# Altium PCB PrintNC_GRBLHAL_Breakout.pcbdoc (part 4 of 9)
Units mm, origin at the board's own origin, x right, y up, seen from the top; angles counter-clockwise.
Board outline 100 x 100 mm, 4 copper layers (Top Layer, GND, PWR, Bottom Layer), stack 0.603 mm thick; 296 components, 213 nets, 5829 pads, 410 vias.
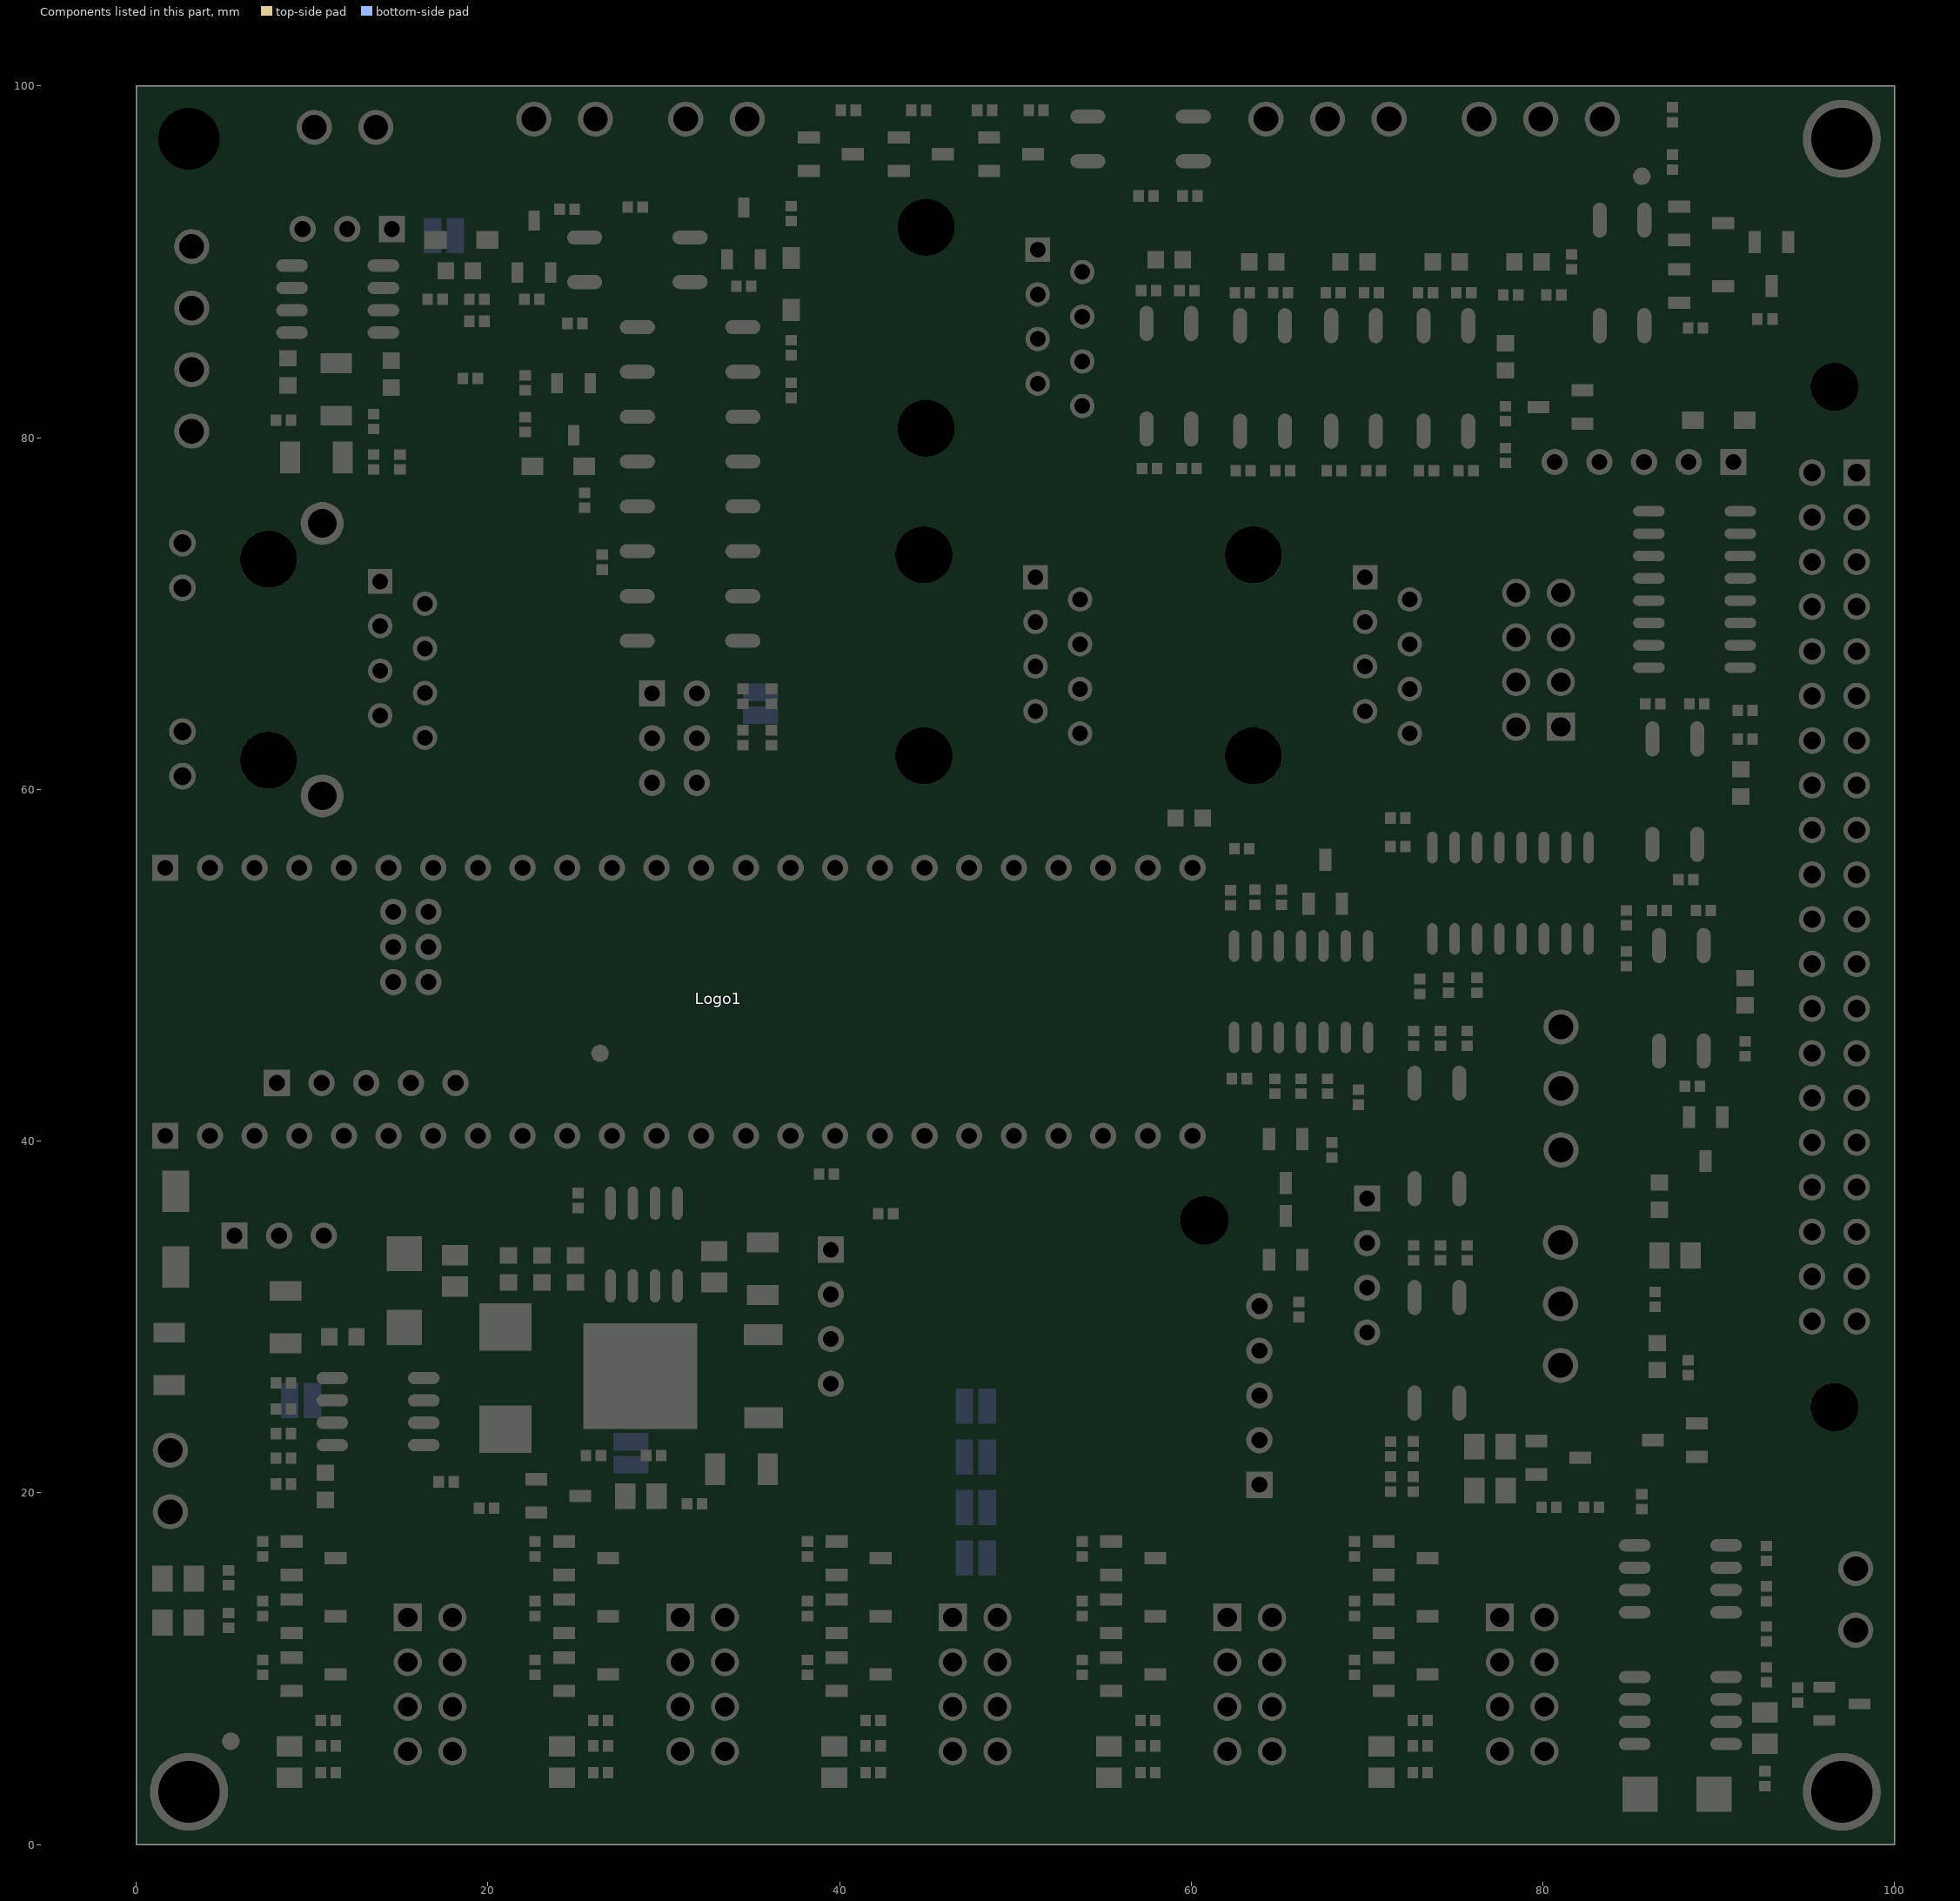
[diagram p6: the components of this part, seen from the top]

## Footprints (in the part's own frame and the unit in brackets; to place one, negate y for a bottom-side part, rotate by r counter-clockwise, add the part's x,y. Pads: shape width x height; smd on the part's side, far side on the other; paste and mask are expansions set on the pad) (continued)
Expatria-Logo [mil] "Expatria DXF logo" (continued)
  round 1.64 on Mech4: 1_2456(-44620.43,43378.64) 1_2457(-44566.75,43378.64) 1_2458(-44620.43,43378.64) 1_2459(-44606.14,43379.1) 1_2460(-44615.5,43379.55) 1_2461(-44606.14,43379.1) 1_2462(-44629.38,43380.88) 1_2463(-44615.5,43379.55) 1_2464(-44631.61,43381.79) 1_2465(-44629.38,43380.88) 1_2466(-44642.8,43383.12) 1_2467(-44631.61,43381.79) 1_2468(-44651.29,43385.35) 1_2469(-44642.8,43383.12) 1_2470(-44659.81,43386.72) 1_2471(-44651.29,43385.35) 1_2472(-44663.83,43388.5) 1_2473(-44659.81,43386.72) 1_2474(-44667.85,43388.95) 1_2475(-44663.83,43388.5) 1_2476(-44675.89,43392.06) 1_2477(-44667.85,43388.95) 1_2478(-44683.51,43394.3) 1_2479(-44675.89,43392.06) 1_2480(-44686.2,43396.08) 1_2481(-44683.51,43394.3) 1_2482(-44691.12,43397.45) 1_2483(-44686.2,43396.08) 1_2484(-44705.42,43405.03) 1_2485(-44691.12,43397.45) 1_2486(-44708.56,43406.85) 1_2487(-44705.42,43405.03) 1_2488(-44712.13,43409.08) 1_2489(-44708.56,43406.85) 1_2490(-44715.27,43410.41) 1_2491(-44712.13,43409.08) 1_2492(-44717.05,43412.19) 1_2493(-44715.27,43410.41) 1_2494(-44721.98,43414.43) 1_2495(-44717.05,43412.19) 1_2496(-44723.76,43416.21) 1_2497(-44721.98,43414.43) 1_2498(-44725.09,43416.67) 1_2499(-44723.76,43416.21) 1_2500(-44726.91,43418.45) 1_2501(-44725.09,43416.67) 1_2502(-44728.24,43418.9) 1_2503(-44726.91,43418.45) 1_2504(-44730.02,43420.68) 1_2505(-44728.24,43418.9) 1_2506(-44731.38,43421.14) 1_2507(-44730.02,43420.68) 1_2508(-44732.71,43422.92) 1_2509(-44731.38,43421.14) 1_2510(-44734.04,43423.37) 1_2511(-44732.71,43422.92) 1_2512(-44735.86,43425.61) 1_2513(-44734.04,43423.37) 1_2514(-44737.18,43426.07) 1_2515(-44735.86,43425.61) 1_2516(-44738.51,43427.85) 1_2517(-44737.18,43426.07) 1_2518(-44739.87,43428.3) 1_2519(-44738.51,43427.85) 1_2520(-44741.66,43430.08) 1_2521(-44739.87,43428.3) 1_2522(-44742.98,43430.54) 1_2523(-44741.66,43430.08) 1_2524(-44747.04,43435.01) 1_2525(-44742.98,43430.54) 1_2526(-44748.36,43435.47) 1_2527(-44747.04,43435.01) 1_2528(-44763.57,43450.67) 1_2529(-44748.36,43435.47) 1_2530(-44764.02,43451.99) 1_2531(-44763.57,43450.67) 1_2532(-44766.26,43453.81) 1_2533(-44764.02,43451.99) 1_2534(-44766.71,43455.14) 1_2535(-44766.26,43453.81) 1_2536(-44768.49,43456.47) 1_2537(-44766.71,43455.14) 1_2538(-44768.95,43457.83) 1_2539(-44768.49,43456.47) 1_2540(-44770.73,43459.16) 1_2541(-44768.95,43457.83) 1_2542(-44771.18,43460.52) 1_2543(-44770.73,43459.16) 1_2544(-44775.66,43464.54) 1_2545(-44771.18,43460.52) 1_2546(-44776.11,43465.87) 1_2547(-44775.66,43464.54) 1_2548(-44777.89,43467.23) 1_2549(-44776.11,43465.87) 1_2550(-44779.68,43470.34) 1_2551(-44777.89,43467.23) 1_2552(-44780.13,43471.7) 1_2553(-44779.68,43470.34) 1_2554(-44782.82,43474.36) 1_2555(-44780.13,43471.7) 1_2556(-44783.24,43475.72) 1_2557(-44782.82,43474.36) 1_2558(-44784.15,43476.18) 1_2559(-44783.24,43475.72) 1_2560(-44784.6,43477.5) 1_2561(-44784.15,43476.18) 1_2562(-44786.39,43478.83) 1_2563(-44784.6,43477.5) 1_2564(-44786.84,43480.2) 1_2565(-44786.39,43478.83) 1_2566(-44788.17,43481.52) 1_2567(-44786.84,43480.2) 1_2568(-44789.95,43484.67) 1_2569(-44788.17,43481.52) 1_2570(-44790.4,43486) 1_2571(-44789.95,43484.67) 1_2572(-44793.1,43488.69) 1_2573(-44790.4,43486) 1_2574(-44794,43486) 1_2575(-44793.1,43488.69) 1_2576(-44794.42,43486) 1_2577(-44794,43486) 1_2578(-44794.88,43483.76) 1_2579(-44794.42,43486) 1_2580(-44799.8,43473.94) 1_2581(-44794.88,43483.76) 1_2582(-44800.26,43473.94) 1_2583(-44799.8,43473.94) 1_2584(-44800.71,43471.7) 1_2585(-44800.26,43473.94) 1_2586(-44801.13,43471.7) 1_2587(-44800.71,43471.7) 1_2588(-44802.95,43465.41) 1_2589(-44801.13,43471.7) 1_2590(-44804.73,43461.85) 1_2591(-44802.95,43465.41) 1_2592(-44805.19,43461.85) 1_2593(-44804.73,43461.85) 1_2594(-44806.06,43458.7) 1_2595(-44805.19,43461.85) 1_2596(-44806.51,43458.7) 1_2597(-44806.06,43458.7) 1_2598(-44806.97,43456.47) 1_2599(-44806.51,43458.7) 1_2600(-44807.42,43456.47) 1_2601(-44806.97,43456.47) 1_2602(-44808.3,43453.36) 1_2603(-44807.42,43456.47) 1_2604(-44808.75,43453.36) 1_2605(-44808.3,43453.36) 1_2606(-44809.2,43451.12) 1_2607(-44808.75,43453.36) 1_2608(-44809.66,43451.12) 1_2609(-44809.2,43451.12) 1_2610(-44810.08,43448.89) 1_2611(-44809.66,43451.12) 1_2612(-44810.53,43448.89) 1_2613(-44810.08,43448.89) 1_2614(-44810.99,43446.65) 1_2615(-44810.53,43448.89) 1_2616(-44811.44,43446.65) 1_2617(-44810.99,43446.65) 1_2618(-44811.9,43444.41) 1_2619(-44811.44,43446.65) 1_2620(-44812.31,43444.41) 1_2621(-44811.9,43444.41) 1_2622(-44812.77,43442.17) 1_2623(-44812.31,43444.41) 1_2624(-44813.22,43442.17) 1_2625(-44812.77,43442.17) 1_2626(-44814.13,43438.58) 1_2627(-44813.22,43442.17) 1_2628(-44814.55,43438.58) 1_2629(-44814.13,43438.58) 1_2630(-44815.01,43436.34) 1_2631(-44814.55,43438.58) 1_2632(-44815.46,43436.34) 1_2633(-44815.01,43436.34) 1_2634(-44815.91,43434.1) 1_2635(-44815.46,43436.34) 1_2636(-44816.37,43434.1) 1_2637(-44815.91,43434.1) 1_2638(-44816.79,43431.87) 1_2639(-44816.37,43434.1) 1_2640(-44817.24,43431.87) 1_2641(-44816.79,43431.87) 1_2642(-44818.6,43427.85) 1_2643(-44817.24,43431.87) 1_2644(-44819.02,43427.85) 1_2645(-44818.6,43427.85) 1_2646(-44819.48,43425.61) 1_2647(-44819.02,43427.85) 1_2648(-44819.93,43425.61) 1_2649(-44819.48,43425.61) 1_2650(-44821.26,43421.14) 1_2651(-44819.93,43425.61) 1_2652(-44821.71,43421.14) 1_2653(-44821.26,43421.14) 1_2654(-44822.62,43418.03) 1_2655(-44821.71,43421.14) 1_2656(-44823.08,43418.03) 1_2657(-44822.62,43418.03) 1_2658(-44823.5,43415.79) 1_2659(-44823.08,43418.03) 1_2660(-44823.95,43415.79) 1_2661(-44823.5,43415.79) 1_2662(-44825.31,43412.65) 1_2663(-44823.95,43415.79) 1_2664(-44825.73,43412.65) 1_2665(-44825.31,43412.65) 1_2666(-44826.64,43410.41) 1_2667(-44825.73,43412.65) 1_2668(-44828.88,43407.26) 1_2669(-44826.64,43410.41) 1_2670(-44829.79,43407.26) 1_2671(-44828.88,43407.26) 1_2672(-44830.21,43406.39) 1_2673(-44829.79,43407.26) 1_2674(-44831.57,43406.85) 1_2675(-44830.21,43406.39) 1_2676(-44832.44,43408.17) 1_2677(-44831.57,43406.85) 1_2678(-44832.9,43418.9) 1_2679(-44832.44,43408.17) 1_2680(-44832.9,43418.9) 1_2681(-44831.57,43431.87) 1_2682(-44831.57,43431.87) 1_2683(-44830.66,43433.68) 1_2684(-44830.66,43433.68) 1_2685(-44830.21,43437.7) 1_2686(-44830.21,43437.7) 1_2687(-44828.88,43441.72) 1_2688(-44828.88,43441.72) 1_2689(-44826.64,43454.23) 1_2690(-44826.64,43454.23) 1_2691(-44824.41,43460.52) 1_2692(-44824.41,43460.52) 1_2693(-44822.17,43470.8) 1_2694(-44822.17,43470.8) 1_2695(-44816.37,43486.91) 1_2696(-44816.37,43486.91) 1_2697(-44815.91,43490.02) 1_2698(-44815.91,43490.02) 1_2699(-44814.55,43492.71) 1_2700(-44814.55,43492.71) 1_2701(-44814.13,43495.85) 1_2702(-44814.13,43495.85) 1_2703(-44811.44,43502.56) 1_2704(-44811.44,43502.56) 1_2705(-44810.99,43504.8) 1_2706(-44810.99,43504.8) 1_2707(-44809.2,43508.36) 1_2708(-44809.2,43508.36) 1_2709(-44808.75,43510.6) 1_2710(-44808.75,43510.6) 1_2711(-44807.42,43512.83) 1_2712(-44807.84,43513.29) 1_2713(-44807.42,43512.83) 1_2714(-44808.75,43515.52) 1_2715(-44807.84,43513.29) 1_2716(-44810.99,43518.67) 1_2717(-44808.75,43515.52) 1_2718(-44814.13,43524.47) 1_2719(-44810.99,43518.67) 1_2720(-44815.01,43526.71) 1_2721(-44814.13,43524.47) 1_2722(-44817.24,43529.85) 1_2723(-44815.01,43526.71) 1_2724(-44822.62,43540.13) 1_2725(-44817.24,43529.85) 1_2726(-44823.08,43542.36) 1_2727(-44822.62,43540.13) 1_2728(-44827.55,43550.4) 1_2729(-44823.08,43542.36) 1_2730(-44827.97,43552.64) 1_2731(-44827.55,43550.4) 1_2732(-44830.66,43557.56) 1_2733(-44827.97,43552.64) 1_2734(-44831.12,43559.8) 1_2735(-44830.66,43557.56) 1_2736(-44833.81,43564.27) 1_2737(-44831.12,43559.8) 1_2738(-44834.26,43566.51) 1_2739(-44833.81,43564.27) 1_2740(-44835.59,43568.75) 1_2741(-44834.26,43566.51) 1_2742(-44836.04,43570.98) 1_2743(-44835.59,43568.75) 1_2744(-44837.37,43572.77) 1_2745(-44836.04,43570.98) 1_2746(-44838.73,43577.69) 1_2747(-44837.37,43572.77) 1_2748(-44841.84,43583.95) 1_2749(-44838.73,43577.69) 1_2750(-44842.3,43586.18) 1_2751(-44841.84,43583.95) 1_2752(-44844.08,43589.78) 1_2753(-44842.3,43586.18) 1_2754(-44844.53,43592.89) 1_2755(-44844.08,43589.78) 1_2756(-44846.77,43598.28) 1_2757(-44844.53,43592.89) 1_2758(-44847.68,43603.66) 1_2759(-44846.77,43598.28) 1_2760(-44848.55,43605.44) 1_2761(-44847.68,43603.66) 1_2762(-44849.01,43612.15) 1_2763(-44848.55,43605.44) 1_2764(-44849.01,43612.15) 1_2765(-44848.1,43612.6) 1_2766(-44848.1,43612.6) 1_2767(-44845.44,43611.69) 1_2768(-44845.44,43611.69) 1_2769(-44841.84,43608.13) 1_2770(-44841.84,43608.13) 1_2771(-44841.39,43606.77) 1_2772(-44841.39,43606.77) 1_2773(-44840.52,43606.31) 1_2774(-44840.52,43606.31) 1_2775(-44840.06,43604.98) 1_2776(-44840.06,43604.98) 1_2777(-44838.73,43603.66) 1_2778(-44838.73,43603.66) 1_2779(-44838.28,43602.29) 1_2780(-44838.28,43602.29) 1_2781(-44836.92,43600.97) 1_2782(-44836.92,43600.97) 1_2783(-44835.13,43596.95) 1_2784(-44835.13,43596.95) 1_2785(-44834.26,43596.49) 1_2786(-44834.26,43596.49) 1_2787(-44833.81,43595.13) 1_2788(-44833.81,43595.13) 1_2789(-44832.9,43594.71) 1_2790(-44832.9,43594.71) 1_2791(-44832.44,43593.35) 1_2792(-44832.44,43593.35) 1_2793(-44831.12,43592.02) 1_2794(-44831.12,43592.02) 1_2795(-44830.66,43590.66) 1_2796(-44830.66,43590.66) 1_2797(-44829.33,43589.33) 1_2798(-44829.33,43589.33) 1_2799(-44827.55,43585.31) 1_2800(-44827.55,43585.31) 1_2801(-44826.19,43583.95) 1_2802(-44826.19,43583.95) 1_2803(-44825.73,43582.62) 1_2804(-44825.73,43582.62) 1_2805(-44824.41,43581.29) 1_2806(-44824.41,43581.29) 1_2807(-44823.95,43579.93) 1_2808(-44823.95,43579.93) 1_2809(-44822.62,43578.6) 1_2810(-44822.62,43578.6) 1_2811(-44822.17,43577.24) 1_2812(-44822.17,43577.24) 1_2813(-44820.84,43575.91) 1_2814(-44820.84,43575.91) 1_2815(-44820.39,43574.58) 1_2816(-44820.39,43574.58) 1_2817(-44817.7,43570.98) 1_2818(-44817.7,43570.98) 1_2819(-44817.24,43569.65) 1_2820(-44817.24,43569.65) 1_2821(-44815.01,43566.51) 1_2822(-44815.01,43566.51) 1_2823(-44814.13,43564.27) 1_2824(-44814.13,43564.27) 1_2825(-44813.22,43563.82) 1_2826(-44813.22,43563.82) 1_2827(-44812.77,43562.49) 1_2828(-44812.77,43562.49) 1_2829(-44811.44,43561.16) 1_2830(-44811.44,43561.16) 1_2831(-44810.99,43559.8) 1_2832(-44810.99,43559.8) 1_2833(-44809.2,43558.02) 1_2834(-44809.2,43558.02) 1_2835(-44808.75,43556.69) 1_2836(-44808.75,43556.69) 1_2837(-44807.42,43555.33) 1_2838(-44807.42,43555.33) 1_2839(-44806.97,43554) 1_2840(-44806.97,43554) 1_2841(-44805.6,43552.64) 1_2842(-44805.6,43552.64) 1_2843(-44804.73,43550.4) 1_2844(-44804.73,43550.4) 1_2845(-44803.82,43549.98) 1_2846(-44803.82,43549.98) 1_2847(-44803.37,43548.62) 1_2848(-44803.37,43548.62) 1_2849(-44801.59,43546.84) 1_2850(-44801.59,43546.84) 1_2851(-44801.13,43545.51) 1_2852(-44801.13,43545.51) 1_2853(-44800.26,43545.05) 1_2854(-44800.26,43545.05) 1_2855(-44799.8,43543.69) 1_2856(-44799.8,43543.69) 1_2857(-44798.9,43543.27) 1_2858(-44798.9,43543.27) 1_2859(-44798.48,43541.91) 1_2860(-44798.48,43541.91) 1_2861(-44797.57,43541.45) 1_2862(-44797.57,43541.45) 1_2863(-44797.11,43540.13) 1_2864(-44797.11,43540.13) 1_2865(-44795.79,43539.22) 1_2866(-44795.79,43539.22) 1_2867(-44791.77,43546.84) 1_2868(-44791.77,43546.84) 1_2869(-44785.48,43558.93) 1_2870(-44785.48,43558.93) 1_2871(-44785.06,43560.26) 1_2872(-44785.06,43560.26) 1_2873(-44782.82,43563.4) 1_2874(-44782.82,43563.4) 1_2875(-44782.37,43564.73) 1_2876(-44782.37,43564.73) 1_2877(-44781,43566.06) 1_2878(-44781,43566.06) 1_2879(-44780.58,43567.42) 1_2880(-44780.58,43567.42) 1_2881(-44779.22,43568.75) 1_2882(-44779.22,43568.75) 1_2883(-44778.77,43570.11) 1_2884(-44778.77,43570.11) 1_2885(-44777.89,43570.53) 1_2886(-44777.89,43570.53) 1_2887(-44777.44,43571.89) 1_2888(-44777.44,43571.89) 1_2889(-44775.2,43575) 1_2890(-44775.2,43575) 1_2891(-44774.75,43576.37) 1_2892(-44774.75,43576.37) 1_2893(-44773.42,43577.69) 1_2894(-44773.42,43577.69) 1_2895(-44772.97,43579.06) 1_2896(-44772.97,43579.06) 1_2897(-44771.64,43580.38) 1_2898(-44771.64,43580.38) 1_2899(-44771.18,43581.71) 1_2900(-44771.18,43581.71) 1_2901(-44770.28,43582.17) 1_2902(-44770.28,43582.17) 1_2903(-44769.82,43583.53) 1_2904(-44769.82,43583.53) 1_2905(-44768.95,43583.95) 1_2906(-44768.95,43583.95) 1_2907(-44768.49,43585.31) 1_2908(-44768.49,43585.31) 1_2909(-44767.59,43585.76) 1_2910(-44767.59,43585.76) 1_2911(-44767.17,43587.09) 1_2912(-44767.17,43587.09) 1_2913(-44765.8,43588) 1_2914(-44765.8,43588) 1_2915(-44765.35,43589.33) 1_2916(-44765.35,43589.33) 1_2917(-44763.57,43590.66) 1_2918(-44763.57,43590.66) 1_2919(-44763.11,43592.02) 1_2920(-44763.11,43592.02) 1_2921(-44761.33,43593.35) 1_2922(-44761.33,43593.35) 1_2923(-44760.88,43594.71) 1_2924(-44760.88,43594.71) 1_2925(-44759.09,43596.04) 1_2926(-44759.09,43596.04) 1_2927(-44758.64,43597.37) 1_2928(-44758.64,43597.37) 1_2929(-44756.86,43598.73) 1_2930(-44756.86,43598.73) 1_2931(-44756.4,43600.06) 1_2932(-44756.4,43600.06) 1_2933(-44739.87,43616.62) 1_2934(-44739.87,43616.62) 1_2935(-44738.51,43617.08) 1_2936(-44738.51,43617.08) 1_2937(-44737.18,43618.86) 1_2938(-44737.18,43618.86) 1_2939(-44735.86,43619.31) 1_2940(-44735.86,43619.31) 1_2941(-44734.04,43621.55) 1_2942(-44734.04,43621.55) 1_2943(-44732.71,43621.97) 1_2944(-44732.71,43621.97) 1_2945(-44731.38,43623.79) 1_2946(-44731.38,43623.79) 1_2947(-44730.02,43624.21) 1_2948(-44730.02,43624.21) 1_2949(-44729.15,43625.57) 1_2950(-44729.15,43625.57) 1_2951(-44727.78,43626.02) 1_2952(-44727.78,43626.02) 1_2953(-44727.33,43626.89) 1_2954(-44727.33,43626.89) 1_2955(-44726,43627.35) 1_2956(-44726,43627.35) 1_2957(-44725.55,43628.26) 1_2958(-44725.55,43628.26) 1_2959(-44724.22,43628.68) 1_2960(-44724.22,43628.68) 1_2961(-44722.85,43630.04) 1_2962(-44722.85,43630.04) 1_2963(-44721.53,43630.5) 1_2964(-44721.53,43630.5) 1_2965(-44720.2,43631.82) 1_2966(-44720.2,43631.82) 1_2967(-44717.96,43632.73) 1_2968(-44717.96,43632.73) 1_2969(-44716.6,43634.06) 1_2970(-44716.6,43634.06) 1_2971(-44715.27,43634.51) 1_2972(-44715.27,43634.51) 1_2973(-44713.91,43635.84) 1_2974(-44713.91,43635.84) 1_2975(-44712.58,43636.3) 1_2976(-44712.58,43636.3) 1_2977(-44709.44,43638.53) 1_2978(-44709.44,43638.53) 1_2979(-44708.11,43638.99) 1_2980(-44708.11,43638.99) 1_2981(-44704.96,43641.22) 1_2982(-44704.96,43641.22) 1_2983(-44696.47,43645.7) 1_2984(-44696.47,43645.7) 1_2985(-44694.23,43646.15) 1_2986(-44694.23,43646.15) 1_2987(-44693.36,43647.02) 1_2988(-44693.36,43647.02) 1_2989(-44691.12,43647.48) 1_2990(-44691.12,43647.48) 1_2991(-44689.31,43648.81) 1_2992(-44689.31,43648.81) 1_2993(-44687.07,43649.26) 1_2994(-44687.07,43649.26) 1_2995(-44683.96,43651.04) 1_2996(-44683.96,43651.04) 1_2997(-44676.34,43653.73) 1_2998(-44676.34,43653.73) 1_2999(-44668.76,43656.42) 1_3000(-44668.76,43656.42) 1_3001(-44656.21,43659.57) 1_3002(-44656.21,43659.57) 1_3003(-44652.2,43659.99) 1_3004(-44652.2,43659.99) 1_3005(-44643.7,43662.22) 1_3006(-44643.7,43662.22) 1_3007(-44621.34,43665.37) 1_3008(-44621.34,43665.37) 1_3009(-44597.19,43666.7) 1_3010(-44597.19,43666.7) 1_3011(-44556.03,43666.28) 1_3012(-44556.03,43666.28) 1_3013(-44523.81,43663.59) 1_3014(-44523.81,43663.59) 1_3015(-44498.33,43660.44) 1_3016(-44498.33,43660.44) 1_3017(-44492.5,43659.11) 1_3018(-44492.5,43659.11) 1_3019(-44486.69,43658.66) 1_3020(-44486.69,43658.66) 1_3021(-44475.51,43656.42) 1_3022(-44475.51,43656.42) 1_3023(-44469.71,43655.97) 1_3024(-44469.71,43655.97) 1_3025(-44464.33,43654.64) 1_3026(-44464.33,43654.64) 1_3027(-44459.4,43654.19) 1_3028(-44459.4,43654.19) 1_3029(-44457.17,43653.28) 1_3030(-44457.17,43653.28) 1_3031(-44441.06,43650.62) 1_3032(-44441.06,43650.62) 1_3033(-44437.04,43649.26) 1_3034(-44437.04,43649.26) 1_3035(-44433.02,43648.81) 1_3036(-44433.02,43648.81) 1_3037(-44429,43647.48) 1_3038(-44429,43647.48) 1_3039(-44424.98,43647.02) 1_3040(-44424.98,43647.02) 1_3041(-44420.93,43645.7) 1_3042(-44420.93,43645.7) 1_3043(-44416.91,43645.24) 1_3044(-44416.91,43645.24) 1_3045(-44412.89,43643.91) 1_3046(-44412.89,43643.91) 1_3047(-44408.87,43643.46) 1_3048(-44408.87,43643.46) 1_3049(-44402.62,43641.68) 1_3050(-44402.62,43641.68) 1_3051(-44396.33,43640.77) 1_3052(-44396.33,43640.77) 1_3053(-44383.82,43637.2) 1_3054(-44383.82,43637.2) 1_3055(-44343.1,43626.89) 1_3056(-44343.1,43626.89) 1_3057(-44340,43626.44) 1_3058(-44340,43626.44) 1_3059(-44336.85,43625.11) 1_3060(-44336.85,43625.11) 1_3061(-44333.71,43624.66) 1_3062(-44333.71,43624.66) 1_3063(-44330.6,43623.33) 1_3064(-44330.6,43623.33) 1_3065(-44327.45,43622.88) 1_3066(-44327.45,43622.88) 1_3067(-44324.34,43621.55) 1_3068(-44324.34,43621.55) 1_3069(-44321.19,43621.1) 1_3070(-44321.19,43621.1) 1_3071(-44318.05,43619.73) 1_3072(-44318.05,43619.73) 1_3073(-44314.94,43619.31) 1_3074(-44314.94,43619.31) 1_3075(-44311.79,43617.95) 1_3076(-44311.79,43617.95) 1_3077(-44308.68,43617.49) 1_3078(-44308.68,43617.49) 1_3079(-44303.76,43615.71) 1_3080(-44303.76,43615.71) 1_3081(-44298.83,43614.84) 1_3082(-44298.83,43614.84) 1_3083(-44295.68,43613.48) 1_3084(-44295.68,43613.48) 1_3085(-44292.58,43613.02) 1_3086(-44292.58,43613.02) 1_3087(-44289.43,43611.69) 1_3088(-44289.43,43611.69) 1_3089(-44286.32,43611.24) 1_3090(-44286.32,43611.24) 1_3091(-44283.18,43609.91) 1_3092(-44283.18,43609.91) 1_3093(-44280.03,43609.46) 1_3094(-44280.03,43609.46) 1_3095(-44276.92,43608.13) 1_3096(-44276.92,43608.13) 1_3097(-44273.77,43607.68) 1_3098(-44273.77,43607.68) 1_3099(-44270.66,43606.31) 1_3100(-44270.66,43606.31) 1_3101(-44267.52,43605.89) 1_3102(-44267.52,43605.89) 1_3103(-44264.83,43604.53) 1_3104(-44264.83,43604.53) 1_3105(-44261.72,43604.08) 1_3106(-44261.72,43604.08) 1_3107(-44257.66,43602.29) 1_3108(-44257.66,43602.29) 1_3109(-44254.55,43601.84) 1_3110(-44254.55,43601.84) 1_3111(-44242.01,43597.37) 1_3112(-44242.01,43597.37) 1_3113(-44238.9,43596.95) 1_3114(-44238.9,43596.95) 1_3115(-44235.75,43595.58) 1_3116(-44235.75,43595.58) 1_3117(-44232.64,43595.13) 1_3118(-44232.64,43595.13) 1_3119(-44219.23,43590.24) 1_3120(-44219.23,43590.24) 1_3121(-44217.86,43590.66) 1_3122(-44217.86,43590.66) 1_3123(-44216.53,43591.11) 1_3124(-44216.53,43591.11) 1_3125(-44214.75,43592.89) 1_3126(-44214.75,43592.89) 1_3127(-44213.39,43593.35) 1_3128(-44213.39,43593.35) 1_3129(-44212.06,43594.71) 1_3130(-44212.06,43594.71) 1_3131(-44210.7,43595.13) 1_3132(-44210.7,43595.13) 1_3133(-44209.37,43596.49) 1_3134(-44209.37,43596.49) 1_3135(-44208.04,43596.95) 1_3136(-44208.04,43596.95) 1_3137(-44206.68,43598.28) 1_3138(-44206.68,43598.28) 1_3139(-44205.35,43598.73) 1_3140(-44205.35,43598.73) 1_3141(-44203.99,43600.06) 1_3142(-44203.99,43600.06) 1_3143(-44202.66,43600.51) 1_3144(-44202.66,43600.51) 1_3145(-44200.88,43602.29) 1_3146(-44200.88,43602.29) 1_3147(-44199.51,43602.75) 1_3148(-44199.51,43602.75) 1_3149(-44198.19,43604.08) 1_3150(-44198.19,43604.08) 1_3151(-44196.86,43604.53) 1_3152(-44196.86,43604.53) 1_3153(-44195.04,43606.31) 1_3154(-44195.04,43606.31) 1_3155(-44193.72,43606.77) 1_3156(-44193.72,43606.77) 1_3157(-44192.39,43608.13) 1_3158(-44192.39,43608.13) 1_3159(-44191.02,43608.55) 1_3160(-44191.02,43608.55) 1_3161(-44190.57,43609.46) 1_3162(-44190.57,43609.46) 1_3163(-44189.24,43609.91) 1_3164(-44189.24,43609.91) 1_3165(-44187.91,43611.24) 1_3166(-44187.91,43611.24) 1_3167(-44186.55,43611.69) 1_3168(-44186.55,43611.69) 1_3169(-44184.77,43613.48) 1_3170(-44184.77,43613.48) 1_3171(-44181.21,43615.71) 1_3172(-44181.21,43615.71) 1_3173(-44179.84,43616.17) 1_3174(-44179.84,43616.17) 1_3175(-44179.38,43617.08) 1_3176(-44179.38,43617.08) 1_3177(-44178.06,43617.49) 1_3178(-44178.06,43617.49) 1_3179(-44177.61,43618.4) 1_3180(-44177.61,43618.4) 1_3181(-44176.28,43618.86) 1_3182(-44176.28,43618.86) 1_3183(-44175.82,43619.73) 1_3184(-44175.82,43619.73) 1_3185(-44174.5,43620.19) 1_3186(-44174.5,43620.19) 1_3187(-44174.04,43621.1) 1_3188(-44174.04,43621.1) 1_3189(-44172.68,43621.55) 1_3190(-44172.68,43621.55) 1_3191(-44172.26,43622.42) 1_3192(-44172.26,43622.42) 1_3193(-44170.9,43622.88) 1_3194(-44170.9,43622.88) 1_3195(-44170.44,43623.79) 1_3196(-44170.44,43623.79) 1_3197(-44169.11,43624.21) 1_3198(-44169.11,43624.21) 1_3199(-44167.33,43626.02) 1_3200(-44167.33,43626.02) 1_3201(-44165.97,43626.44) 1_3202(-44165.97,43626.44) 1_3203(-44164.18,43628.26) 